# Altium PCB PCB_HydroPore.PcbDoc (part 1 of 2) (continued)
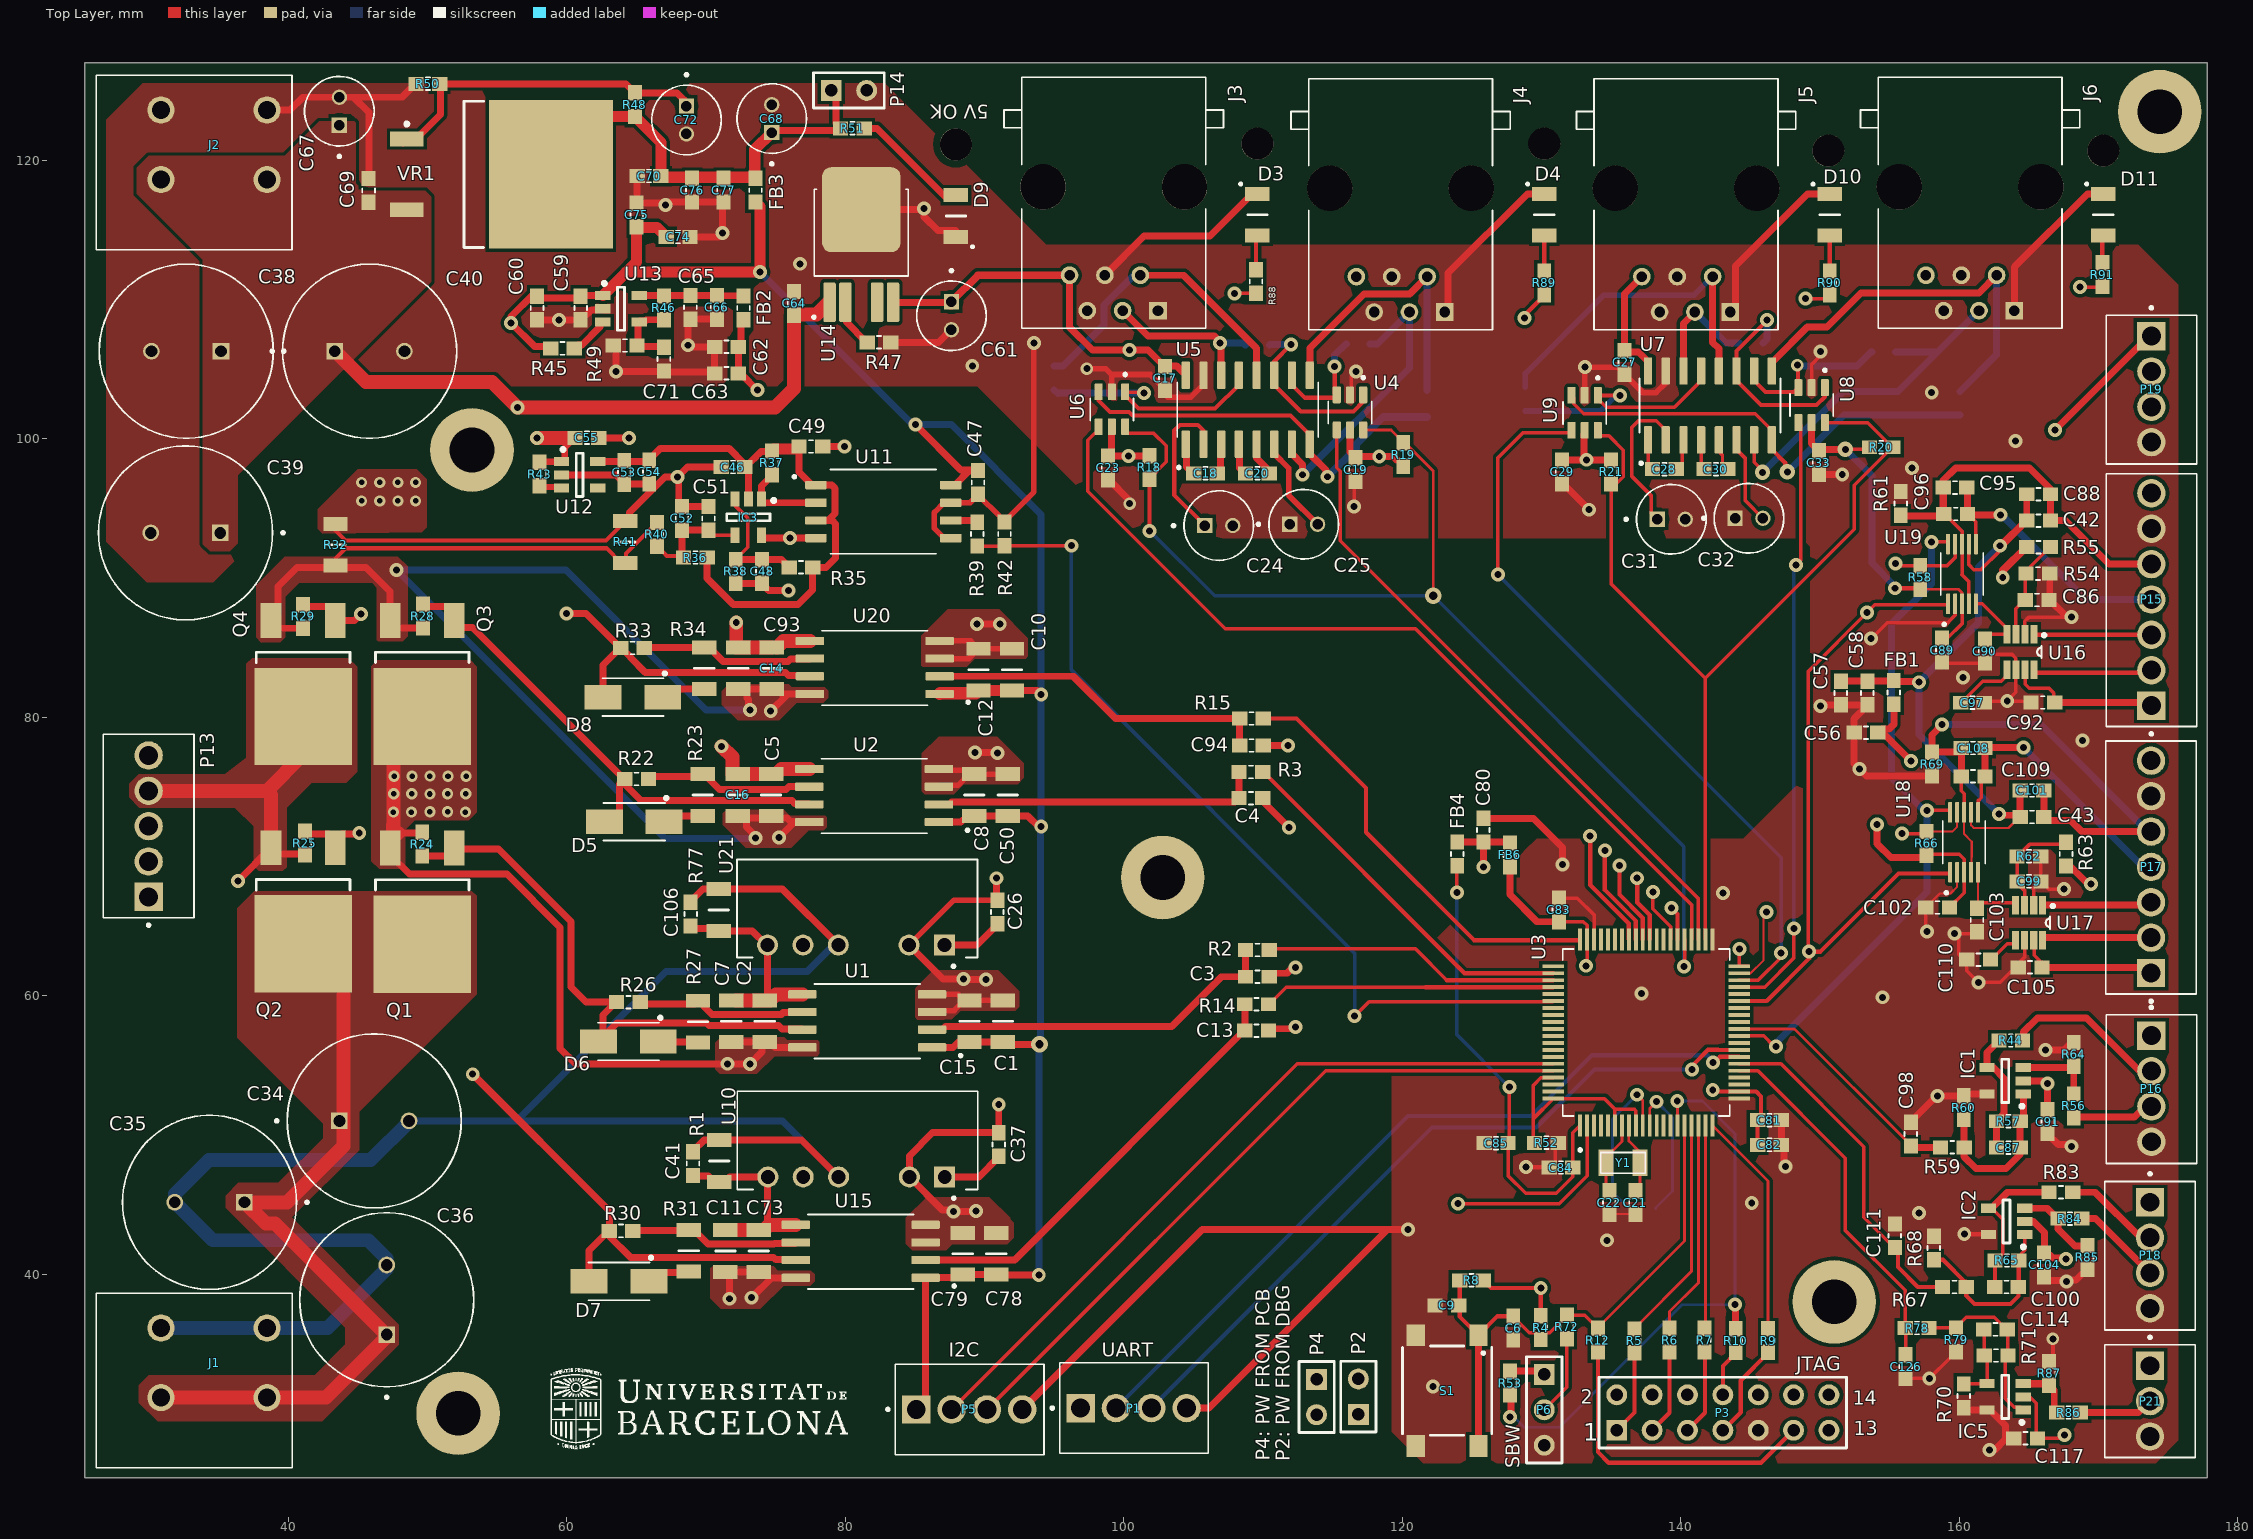
[diagram p0: Top Layer view]
## Footprints (in the part's own frame and the unit in brackets; to place one, negate y for a bottom-side part, rotate by r counter-clockwise, add the part's x,y. Pads: shape width x height; smd on the part's side, far side on the other; paste and mask are expansions set on the pad)
"0603 - duplicate"#1 [mm]
  rect 1.1x1 smd: 1(-0.85,0) 2(0.85,0)
  silkscreen extent -0.15,-0.45 0.15,0.45
"0603 - duplicate"#2 [mm]
  rect 1.1x1 smd: 1(-0.8,0) 2(0.9,0)
  silkscreen extent -0.1,-0.45 0.2,0.45
"0603 - duplicate"#3 [mm]
  rect 1.1x1 smd: 1(-0.9,0) 2(0.8,0)
  silkscreen extent -0.2,-0.45 0.1,0.45
1206 [mm]
  rect 1x1.75 smd: 1(-1.5,0) 2(1.5,0)
  silkscreen extent 0,-0.7 0,0.7, body extent -1.55,-0.8 1.55,0.8, height 0.65
430182070816 [mm]
  rect 1.55x1.3 smd: 1(-3.975,2.25) 2(-3.975,-2.25) 3(3.975,2.25) 4(3.975,-2.25)
  silkscreen extent -3.2,-3.2 3.2,3.2
691401710002B [mm]
  round 1.95 hole 1.3: 1(-2.5,3.81) 1(-2.5,-3.81) 2(2.5,3.81) 2(2.5,-3.81)
  silkscreen extent -5,-8.46 7.54,5.61, body extent -4.94,-8.62 7.6,5.65, height 13.85
*QFP50P1400X1400X160-80N [mm]
  rect 1.56x0.28 smd: 1(-6.68,4.75) 2(-6.68,4.25) 3(-6.68,3.75) 4(-6.68,3.25) 5(-6.68,2.75) 6(-6.68,2.25) 7(-6.68,1.75) 8(-6.68,1.25) 9(-6.68,0.75) 10(-6.68,0.25) 11(-6.68,-0.25) 12(-6.68,-0.75) 13(-6.68,-1.25) 14(-6.68,-1.75) 15(-6.68,-2.25) 16(-6.68,-2.75) 17(-6.68,-3.25) 18(-6.68,-3.75) 19(-6.68,-4.25) 20(-6.68,-4.75) 41(6.68,-4.75) 42(6.68,-4.25) 43(6.68,-3.75) 44(6.68,-3.25) 45(6.68,-2.75) 46(6.68,-2.25) 47(6.68,-1.75) 48(6.68,-1.25) 49(6.68,-0.75) 50(6.68,-0.25) 51(6.68,0.25) 52(6.68,0.75) 53(6.68,1.25) 54(6.68,1.75) 55(6.68,2.25) 56(6.68,2.75) 57(6.68,3.25) 58(6.68,3.75) 59(6.68,4.25) 60(6.68,4.75)
  rect 0.28x1.56 smd: 21(-4.75,-6.68) 22(-4.25,-6.68) 23(-3.75,-6.68) 24(-3.25,-6.68) 25(-2.75,-6.68) 26(-2.25,-6.68) 27(-1.75,-6.68) 28(-1.25,-6.68) 29(-0.75,-6.68) 30(-0.25,-6.68) 31(0.25,-6.68) 32(0.75,-6.68) 33(1.25,-6.68) 34(1.75,-6.68) 35(2.25,-6.68) 36(2.75,-6.68) 37(3.25,-6.68) 38(3.75,-6.68) 39(4.25,-6.68) 40(4.75,-6.68) 61(4.75,6.68) 62(4.25,6.68) 63(3.75,6.68) 64(3.25,6.68) 65(2.75,6.68) 66(2.25,6.68) 67(1.75,6.68) 68(1.25,6.68) 69(0.75,6.68) 70(0.25,6.68) 71(-0.25,6.68) 72(-0.75,6.68) 73(-1.25,6.68) 74(-1.75,6.68) 75(-2.25,6.68) 76(-2.75,6.68) 77(-3.25,6.68) 78(-3.75,6.68) 79(-4.25,6.68) 80(-4.75,6.68)
  silkscreen extent -8.54,-6 6,6, body extent -7,-6.98 7,7.02, height 1.73
CONV_MEA1D1509SC [mm]
  rect 1.508x1.508 hole 1: 1(-5.075,2.625)
  round 1.508 hole 1: 2(-2.535,2.625) 4(2.545,2.625) 5(5.085,2.625) 6(7.625,2.625)
  silkscreen extent -7.45,-3.52 9.82,4.25
D2PAK_N [mm] "D2-PAK, 4-Leads, Body 8.8x10.4mm, Pitch 2.54mm, Lead Span 15.1mm, IPC Medium Density"
  rect 2.4x1.05 smd: 1(-6.8,2.54) 3(-6.8,-2.54)
  rect 8.9x10.65 smd: 2(3.55,0)
  silkscreen extent -6.92,-5.25 -1.3,5.25, body extent -2.7,-5.28 6.3,5.28, height 4.69
do-214ac [mm]
  rect 2.65x1.75 smd: 1(-2.15,0) 2(2.15,0)
  silkscreen extent -2.2,-1.35 2.4,1.8, body extent -2.6,-1.36 2.6,1.36, height 1.1
DPAK114P990X239-6N [mm]
  rrect23% 0.9x2.83 smd: 1(-2.28,-4.14) 2(-1.14,-4.14) 4(1.14,-4.14) 5(2.28,-4.14)
  rrect23% 5.63x6.1 smd paste-4: 3(0,2.51)
  silkscreen extent -3.5,-5.3 3.37,3.98
ElectrolythicCap_2mm [mm]
  round 1.1 hole 0.75: N(1,0)
  rect 1.1x1.1 hole 0.75: P(-1,0)
  silkscreen extent -3.35,-2.5 2.5,2.5, body extent -2.5,-2.5 2.5,2.5, height 11
ElectrolythicCap_5mm [mm]
  round 1.2 hole 0.85: N(2.5,0)
  rect 1.2x1.2 hole 0.85: P(-2.5,0)
  silkscreen extent -7.1,-6.25 6.25,6.25, body extent -6.25,-6.25 6.25,6.25, height 20
HDR1X2 [mm] "Connector; Header; 2 Position"
  rect 1.5x1.5 hole 0.9: 1(0,0)
  round 1.5 hole 0.9: 2(2.54,0)
  silkscreen extent -1.27,-1.27 3.81,1.27
HDR1X3 [mm] "Connector; Header; 3 Position"
  rect 1.5x1.5 hole 0.9: 1(0,0)
  round 1.5 hole 0.9: 2(2.54,0) 3(5.08,0)
  silkscreen extent -1.27,-1.27 6.35,1.27
HDR2X7 [mm] "Connector; Header; 7x2 Position"
  rect 1.5x1.5 hole 0.9: 1(0,0)
  round 1.5 hole 0.9: 2(0,2.54) 3(2.54,0) 4(2.54,2.54) 5(5.08,0) 6(5.08,2.54) 7(7.62,0) 8(7.62,2.54) 9(10.16,0) 10(10.16,2.54) 11(12.7,0) 12(12.7,2.54) 13(15.24,0) 14(15.24,2.54)
  silkscreen extent -1.27,-1.27 16.51,3.81
Infineon_PG-TO252-3_MFG#1 [mm]
  rect 1.5x2.5 smd paste+0 mask+0: 1(-2.3,-4.575) 3(2.3,-4.575)
  rect 7x7 smd paste+0 mask+0: 2(0,2.325)
  silkscreen extent -3.36,-2.28 3.36,-1.55, body extent -3.6,-5.92 3.6,5.92, height 0.25
Infineon_PG-TO252-3_MFG#2 [mm]
  rect 1.5x2.5 smd paste+0 mask+0: 1(-2.3,-4.6) 3(2.3,-4.6)
  rect 7x7 smd paste+0 mask+0: 2(0,2.3)
  silkscreen extent -3.36,-2.31 3.36,-1.57, body extent -3.6,-5.95 3.6,5.9, height 0.25
"LED 1206" [mm]
  rect 1x1.75 smd: 1(-1.5,0) 2(1.5,0)
  silkscreen extent 0,-0.7 2.25,1.25, body extent -1.55,-0.8 1.55,0.8, height 0.65
regleta_3 [mm]
  rect 2.04x2.04 hole 1.36: 1(0,0)
  round 2.04 hole 1.36: 2(2.54,0) 3(5.08,0)
  silkscreen extent -2.13,-3.25 6.58,3.25, body extent -1.5,-3.53 6.58,2.97, height 10
regleta_4 [mm]
  rect 2.04x2.04 hole 1.36: 1(0,0)
  round 2.04 hole 1.36: 2(2.54,0) 3(5.08,0) 4(7.615,0)
  silkscreen extent -2.13,-3.25 9.18,3.25, body extent -1.5,-3.53 6.58,2.97, height 10
regleta_5 [mm]
  rect 2.04x2.04 hole 1.36: 1(0,0)
  round 2.04 hole 1.36: 2(2.54,0) 3(5.08,0) 4(7.615,0) 5(10.155,0)
  silkscreen extent -2.13,-3.25 11.68,3.25, body extent -1.5,-3.53 6.58,2.97, height 10
regleta_7 [mm]
  rect 2.04x2.04 hole 1.36: 1(0,0)
  round 2.04 hole 1.36: 2(2.54,0) 3(5.08,0) 4(7.615,0) 5(10.155,0) 6(12.7,0) 7(15.25,0)
  silkscreen extent -2.13,-3.25 16.65,3.25, body extent -1.5,-3.53 6.58,2.97, height 10
soic8_w [mm]
  rrect25% 2.05x0.59 smd: 1(-4.655,4.445) 2(-4.655,3.175) 3(-4.655,1.905) 4(-4.655,0.635) 5(4.655,0.635) 6(4.655,1.905) 7(4.655,3.175) 8(4.655,4.445)
  silkscreen extent -6.81,-0.1 3.8,5.25, body extent -4,-0.12 3.98,5.12, height 2.16
SOIC127P600X175-16N [mm]
  rrect25% 1.97x0.6 smd: 1(-2.475,4.445) 2(-2.475,3.175) 3(-2.475,1.905) 4(-2.475,0.635) 5(-2.475,-0.635) 6(-2.475,-1.905) 7(-2.475,-3.175) 8(-2.475,-4.445) 9(2.475,-4.445) 10(2.475,-3.175) 11(2.475,-1.905) 12(2.475,-0.635) 13(2.475,0.635) 14(2.475,1.905) 15(2.475,3.175) 16(2.475,4.445)
  silkscreen extent -4.24,-5.06 1.95,5.06, body extent -3,-4.95 3,4.95, height 1.75
SOIC127P1031X265-8N [mm]
  rrect25% 1.55x0.6 smd: 1(-4.84,1.905) 2(-4.84,0.635) 3(-4.84,-0.635) 4(-4.84,-1.905) 5(4.84,-1.905) 6(4.84,-0.635) 7(4.84,0.635) 8(4.84,1.905)
  silkscreen extent -6.49,-3.03 3.8,3.03, body extent -5.15,-2.92 5.16,2.93, height 2.65
SOP50P490X110-10N [mm]
  rrect25% 1.47x0.28 smd: 1(-2.15,1) 2(-2.15,0.5) 3(-2.15,0) 4(-2.15,-0.5) 5(-2.15,-1) 6(2.15,-1) 7(2.15,-0.5) 8(2.15,0) 9(2.15,0.5) 10(2.15,1)
  silkscreen extent -3.72,-1.53 1.53,1.53, body extent -2.45,-1.5 2.45,1.5, height 1.1
SOT23-5_N [mm] "SOT23, 6-Leads, Body 2.9x1.6mm, Pitch 0.95mm, Lead Span 2.7mm, IPC Medium Density"
  rect 1.1x0.65 smd: 1(-1.3,0.95) 2(-1.3,0) 3(-1.3,-0.95) 4(1.3,-0.95) 5(1.3,0.95)
  silkscreen extent -1.33,-1.55 0.25,1.95, body extent -0.9,-1.55 0.9,1.55, height 1.45
SOT65P280X145-8N [mil]
  rect 52x20 smd: 1(-50,38) 2(-50,13) 3(-50,-13) 4(-50,-38) 5(50,-38) 6(50,-13) 7(50,13) 8(50,38)
  silkscreen extent -51,47 17,71, body extent -55,-57 55,57, height 57
SOT95P280X145-6N [mm]
  rrect25% 1.21x0.58 smd: 1(-1.255,0.95) 2(-1.255,0) 3(-1.255,-0.95) 4(1.255,-0.95) 5(1.255,0) 6(1.255,0.95)
  silkscreen extent -2.6,-1.56 0.8,1.56
TE_RJ11-6N-B [mm]
  rect 1.268x1.268 hole 0.76: 1(0,0)
  round 1.268 hole 0.76: 2(-2.54,-1.27) 3(0,-2.54) 4(-2.54,-3.81) 5(0,-5.08) 6(-2.54,-6.35)
  round 3.25 hole 3.25 unplated: ""(-8.89,1.9) ""(-8.89,-8.26)
  silkscreen extent -16.76,-11.05 1.27,4.7, body extent -16.76,-11.07 1.28,4.67, height 12.57
XTAL320X150X90 [mil]
  rect 43x75 smd: 1(-48,0) 2(48,0)
  silkscreen extent -63,-30 63,30, body extent -63,-29 63,30, height 35
XTAL_ABM7-16.000MHZ-D2Y-T [mm]
  rect 1.9x2.6 smd: 1(-2.15,0) 2(2.15,0)
  silkscreen extent -3,-1.75 3,1.75, body extent -3,-1.75 3,1.75, height 1.4

## Part data
C1 C2 C3 C4 C5 C6 C7 C8 C9 C10 C11 C12 C13 C14 C15 C16 C17 C18 C19 C20 C21 C22 C23 C26 C27 C28 C29 C30 C33 C37 C41 C42 C43 C44 C45 C46 C47 C48 C49 C50 C51 C52 C53 C55 C56 C57 C58 C59 C62 C63 C64 C69 C70 C73 C74 C75 C76 C77 C78 C79 C80 C81 C82 C83 C84 C85 C86 C87 C88 C89 C90 C91 C92 C93 C94 C95 C96 C97 C98 C99 C100 C101 C102 C103 C104 C105 C106 C108 C109 C110 C111 C114 C117 C126: "Capacitor", LatestRevisionDate=17-Jul-2002, LatestRevisionNote="Re-released for DXP Platform.", PackageDescription="Radial Cap, Thru-Hole; 2 Leads; 0.3 in Pin Spacing", PackageReference=RAD-0.3, Published=8-Jun-2000, Publisher="Altium Limited"
C24 C25 C31 C32 C34 C35 C36 C38 C39 C40 C61 C67 C68: "Polarized Capacitor (Axial)", LatestRevisionDate=17-Jul-2002, LatestRevisionNote="Re-released for DXP Platform.", PackageDescription="Polarized Capacitor; 2 Leads", PackageReference=POLAR0.8, Published=8-Jun-2000, Publisher="Altium Limited"
C54 C60 C65 C66 C71: library part Cap, "Capacitor", LatestRevisionDate=17-Jul-2002, LatestRevisionNote="Re-released for DXP Platform.", PackageDescription="Radial Cap, Thru-Hole; 2 Leads; 0.3 in Pin Spacing", PackageReference=RAD-0.3, Published=8-Jun-2000, Publisher="Altium Limited"
C72: library part "Cap Pol2", "Polarized Capacitor (Axial)", LatestRevisionDate=17-Jul-2002, LatestRevisionNote="Re-released for DXP Platform.", PackageDescription="Polarized Capacitor; 2 Leads", PackageReference=POLAR0.8, Published=8-Jun-2000, Publisher="Altium Limited"
D3 D4 D9 D10 D11: "Typical RED, GREEN, YELLOW, AMBER GaAs LED", LatestRevisionDate=17-Jul-2002, LatestRevisionNote="Re-released for DXP Platform.", PackageDescription="SM LED; 2 Flat Leads", PackageReference=3.2X1.6X1.1, PackageVersion=Feb-2002, Published=8-Jun-2000, Publisher="Altium Limited"
D5 D6 D7 D8: "Default Diode", Code_JEDEC=DO-214-AB, LatestRevisionDate=17-Jul-2002, LatestRevisionNote="Re-released for DXP Platform.", PackageDescription="DO-214-AB/SMC; 2 C-Bend Leads; Body 7.9 x 5.9 mm, inc. leads (LxW)", PackageReference=SMC, PackageVersion=Sep-1996, Published=8-Jun-2000, Publisher="Altium Limited"
FB1 FB2 FB3 FB4 FB6 R1 R43 R45 R46 R47 R48 R49 R50 R58 R61 R66 R69 R77: library part Res2, "Resistor", LatestRevisionDate=17-Jul-2002, LatestRevisionNote="Re-released for DXP Platform.", PackageDescription="Axial Device, Thru-Hole; 2 Leads; 0.4 in Pin Spacing", PackageReference=AXIAL-0.4, Published=8-Jun-2000, Publisher="Altium Limited"
IC1 IC2 IC3 IC5: "Operational Amplifier", ComponentLink1Description="Manufacturer Link", ComponentLink1URL=http://www.analog.com/, DatasheetVersion="REV. B", LatestRevisionDate=17-Jul-2002, LatestRevisionNote="Re-released for DXP Platform.", PackageDescription="Can; 8 Leads; Pin Circle Dia. 5.08 mm; Lead Dia. 0.53 mm (max)", PackageReference=H-08A, PackageVersion=1990, Published=8-Jun-2000, Publisher="Altium Limited"
J1 J2: "<b>WR-TBL Terminal block - serie 401 5,0mm - Spring clamp/Screw less - horizontal entry ; </b>=>Code : Con_TBL_Screwless_5.00_6914017100xxB <p><a href=\"http://katalog.we-online.de/media/images/eican/Con_TBL_Screwless_5.00_6914017100xxB_pf2.jpg\"> <img src=\"http://katalog.we-online.de/media/thumbs2/eican/thb_Con_TBL_Screwless_5.00_6914017100xxB_pf2.jpg\" width=\"320\"></a><p> <p>Details see: <a href=\"http://katalog.we-online.de/en/em/TBL_5_00_401B_SCREWLESS_HORIZONTAL_ENTRY_2_0MM2_WIRES_6914017100XXB\">http://katalog.we-online.de/en/em/TBL_5_00_401B_SCREWLESS_HORIZONTAL_ENTRY_2_0MM2_WIRES_6914017100XXB</a> <p>Created 11/27/2014, Karrer Zheng <p>2014 (C) Wurth Elektronik", Package=None, Availability="In Stock", Check_prices=https://www.snapeda.com/parts/691401710002B/Wurth+Electronics+Inc./view-part/?ref=eda, MF="Würth Elektronik", MP=691401710002B, Price=None, Purchase-URL=https://pricing.snapeda.com/search/part/691401710002B/?ref=eda, SnapEDA_Link=https://www.snapeda.com/parts/691401710002B/Wurth+Electronics+Inc./view-part/?ref=snap
J3 J4 J5 J6: "6 Position 1 Port Right Angle RJ11 Low Profile Filtered EMI/RFI Modular Jack", Package=None, Availability=Unavailable, MF="TE Connectivity", MP=RJ11-6N-B, Price=None, SnapEDA_Link=https://www.snapeda.com/parts/RJ11-6N-B/TE%20Connectivity%20Corcom%20Filters/view-part/2771781/?ref=snap, TE_purchase_URL=https://www.te.com/usa-en/product-6609212-4.html?te_bu=Cor&te_type=disp&te_campaign=seda_glo_cor-seda-global-disp-prtnr-fy19-seda-model-bom-cta_sma-317_1&elqCampaignId=32493
P1 P5 P16 P18 P19: "Header, 4-Pin", LatestRevisionDate=17-Jul-2002, LatestRevisionNote="Re-released for DXP Platform.", Publisher="Altium Limited"
P2 P4: library part "Header 2", "Header, 2-Pin", LatestRevisionDate=17-Jul-2002, LatestRevisionNote="Re-released for DXP Platform.", Publisher="Altium Limited"
P3: "Header, 7-Pin, Dual row", LatestRevisionDate=17-Jul-2002, LatestRevisionNote="Re-released for DXP Platform.", Publisher="Altium Limited"
P6 P21: "Header, 3-Pin", LatestRevisionDate=17-Jul-2002, LatestRevisionNote="Re-released for DXP Platform.", Publisher="Altium Limited"
P13: "Header, 5-Pin", LatestRevisionDate=17-Jul-2002, LatestRevisionNote="Re-released for DXP Platform.", Publisher="Altium Limited"
P14: "Header, 2-Pin", LatestRevisionDate=17-Jul-2002, LatestRevisionNote="Re-released for DXP Platform.", Publisher="Altium Limited"
P15 P17: "Header, 7-Pin", LatestRevisionDate=17-Jul-2002, LatestRevisionNote="Re-released for DXP Platform.", Publisher="Altium Limited"
Q1 Q2 Q3 Q4: "N-Channel MOSFET", LatestRevisionDate=17-Jul-2002, LatestRevisionNote="Re-released for DXP Platform.", PackageDescription="TO, Flat Index; 3 In-Line, Axial Leads; Body Dia. 4.6mm; Lead Dia. 0.5 mm (max)", PackageReference=E3, PackageVersion=1995/1996, Published=8-Jun-2000, Publisher="Altium Limited"
R2 R3 R4 R5 R6 R7 R8 R9 R10 R11 R12 R13 R14 R15 R16 R17 R18 R19 R20 R21 R22 R23 R24 R25 R26 R27 R28 R29 R30 R31 R32 R33 R34 R35 R36 R37 R38 R39 R40 R41 R42 R44 R51 R52 R53 R54 R55 R56 R57 R59 R60 R62 R63 R64 R65 R67 R68 R70 R71 R72 R73 R74 R75 R76 R78 R79 R83 R84 R85 R86 R87 R88 R89 R90 R91: "Resistor", LatestRevisionDate=17-Jul-2002, LatestRevisionNote="Re-released for DXP Platform.", PackageDescription="Axial Device, Thru-Hole; 2 Leads; 0.4 in Pin Spacing", PackageReference=AXIAL-0.4, Published=8-Jun-2000, Publisher="Altium Limited"
S1: "Tactile Switch SPST-NO Top Actuated Surface Mount", Package=None, Availability="Not in stock", Check_prices=https://www.snapeda.com/parts/430182070816/Wurth+Electronics+Inc./view-part/?ref=eda, MF="Wurth Electronics", MP=430182070816, Price=None, SnapEDA_Link=https://www.snapeda.com/parts/430182070816/Wurth+Electronics+Inc./view-part/?ref=snap
U1 U2 U15 U20: "Mosfet Gate Driver Isolated", Package=None, Availability="In Stock", Check_prices=https://www.snapeda.com/parts/PEME2-S15-D5-S/CUI/view-part/?ref=eda, MF=CUI, MP=PEME2-S15-D5-S, Price=None, Purchase-URL=https://pricing.snapeda.com/search/part/PEME2-S15-D5-S/?ref=eda, SnapEDA_Link=https://www.snapeda.com/parts/PEME2-S15-D5-S/CUI/view-part/?ref=snap
U3: "Ultrasonic Sensing MCU with 64KB FRAM, 12KB RAM, LCD for gas and water metering applications", Package="LQFP-80 Texas Instruments", Availability="In Stock", Check_prices=https://www.snapeda.com/parts/MSP430FR6043IPN/Texas+Instruments/view-part/?ref=eda, MF="Texas Instruments", MP=MSP430FR6043IPN, Price=None, Purchase-URL=https://pricing.snapeda.com/search/part/MSP430FR6043IPN/?ref=eda, SnapEDA_Link=https://www.snapeda.com/parts/MSP430FR6043IPN/Texas+Instruments/view-part/?ref=snap
U4 U5 U6 U7 U8 U9: Package=None, Availability=Unavailable, Price=None
  U4 U6 U8 U9: MP=TS5A3157DBVR
  U5 U7: MP=TRS202EID
U10 U21: "1 W, Dual Independent Output, 7 Pin SIP, 4200 Vdc Isolation, Dc-Dc Converter", Package="SIP-7 CUI", Arrow_Electronics-Purchase-URL=https://snapeda.com/shop?store=Arrow+Electronics&id=1237682, Availability=Bad, CUI_purchase_URL=https://www.cui.com/product/dc-dc-converters/igbt-driver/vqa-series?utm_source=snapeda.com&utm_medium=referral&utm_campaign=snapedaBOM, MF="CUI Inc.", Mouser-Purchase-URL=https://snapeda.com/shop?store=Mouser&id=1237682, MP=VQA-S15-D15-SIP, Price=None, SnapEDA_Link=https://www.snapeda.com/parts/VQA-S15-D15-SIP/CUI/view-part/1237682/?ref=snap
U11: "Digital Isolator", Package=None, Availability="In Stock", Check_prices=https://www.snapeda.com/parts/PEME2-S15-D5-S/CUI/view-part/?ref=eda, MF=CUI, MP=PEME2-S15-D5-S, Price=None, Purchase-URL=https://pricing.snapeda.com/search/part/PEME2-S15-D5-S/?ref=eda, SnapEDA_Link=https://www.snapeda.com/parts/PEME2-S15-D5-S/CUI/view-part/?ref=snap
U13 U14: "Dropout Linear  Regulator", Package=None, Availability=Unavailable, MP=LP3964EMP-ADJ, Price=None
U16 U17: "Instrumentation Amplifier 1 Circuit Rail-to-Rail SOT-23-8", Package="SOT-8 Analog Devices", Availability="In Stock", Check_prices=https://www.snapeda.com/parts/AD8293G160ARJZ-R7/Analog+Devices/view-part/?ref=eda, MF="Analog Devices", MP=AD8293G160ARJZ-R7, Price=None, Purchase-URL=https://pricing.snapeda.com/search/part/AD8293G160ARJZ-R7/?ref=eda, SnapEDA_Link=https://www.snapeda.com/parts/AD8293G160ARJZ-R7/Analog+Devices/view-part/?ref=snap
U18 U19: "Data acquisition IC - AD converter _ADC_ Maxim Integrated MAX11101EUB+T External uMAX 10", Package="uMAX-10 Maxim", Availability=Unavailable, MF="Maxim Integrated", MP=MAX11101EUB+T, Price=None, SnapEDA_Link=https://www.snapeda.com/parts/MAX11101EUB%2BT/Maxim%20Integrated/view-part/693032/?ref=snap
VR1: library part "Volt Reg", LatestRevisionDate=29-May-2009, LatestRevisionNote="IPC-7351 Footprint Added.", PackageDescription="3-Pin Transistor Outline Package 2.54 mm Pitch, 15.1 mm Lead Span", PackageReference=D2PAK, Published=24-Mar-1999, Publisher="Altium Limited"
Y1: "32.768kHz ±30ppm Crystal 12.5pF 90 kOhms 2-SMD, No Lead", Package="SMD-2 EPSON", Availability=Unavailable, MF=EPSON, MP=FC-12M, Price=None, SnapEDA_Link=https://www.snapeda.com/parts/FC-12M/EPSON/view-part/105663/?ref=snap
Y2: Package="SMD-2 EPSON", Availability=Unavailable, MF=EPSON, MP=FC-12M, Price=None, SnapEDA_Link=https://www.snapeda.com/parts/FC-12M/EPSON/view-part/105663/?ref=snap
U12: Code_IPC=SOP65P780-8, Code_JEDEC=MO-150-AA, LatestRevisionDate=29-May-2009, LatestRevisionNote="IPC-7351 Footprint Added.", PackageDescription="8-Pin Plastic Small Outline Package 0.65 mm Pitch", PackageReference=DB008, PackageVersion=May-1999, Published=8-Jun-2000, Publisher="Altium Limited"

## Free pads (board coordinates)
  round 2.3 hole 2.3: 0(87.941,121.141) 0(109.6,121.2) 0(130.2,121.2) 0(150.6,120.7) 0(170.35,120.7)
  round 6 hole 3.2: 1(174.4,123.5) 2(53.2,99.2) 3(52.2,30.025) 4(151.025,38.025) 5(102.8,68.5)

## Via types
v1: diameter 1, hole 0.5, Top Layer to Bottom Layer, 159 vias
v2: diameter 0.8, hole 0.4, Top Layer to Bottom Layer, 23 vias
v3: diameter 0.9, hole 0.5, Top Layer to Bottom Layer, 4 vias
v4: diameter 1.1, hole 0.5, Top Layer to Bottom Layer, 3 vias
v5: diameter 1.2, hole 0.6, Top Layer to Bottom Layer, 2 vias

## Nets (pads, with @x,y where several pads share a name; then routed paths per layer and width w, separated by ;. In a path a pad name is that pad's centre, name@x,y a point inside that pad or via, vN(x,y) a via of type N, cw(c..) or ccw(c..) an arc to the next point about the centre after c; other vN are vias at no path point)
3V3: C19.2 C23.2 C29.2 C33.2 C62.2 C63.2 C80.2 C89.2 C102.2 FB2.2 FB4.1 FB6.1 P1.1 P2.2 P4.1 P13.5 R4.2 R8.2 R18.1 R19.1 R20.1 R21.1 R58.2 R66.2 U4.5 U6.5 U8.5 U9.5 U18.3 U19.3 | length 344.6
  Top Layer w0.15: C19.2@116.65,98.65 C19.2@116.725,98.725
  Top Layer w0.2: R58.2@157.2,89.2 159.95,89.2 160.2,88.95 U19.3@160.2,88.15
  Top Layer w0.25: R18.1@101.825,98.775 R18.1@101.85,98.8 ; C29.2@131.4,98.525 C29.2@131.425,98.5 ; C33.2@149.925,99.15 C33.2@150.025,99.25 ; v4(151.825,99.25) 153.4,99.25 R20.1@153.55,99.4 ; R66.2@157.65,70.1 157.725,70.175 160,70.175 160.35,69.825 U18.3@160.35,68.875 160.35,67.4 C102.2@159.3,66.35 ; C89.2@158.775,85.675 159.15,85.675 160.2,86.725 U19.3@160.2,88.15
  Top Layer w0.3: R8.2@125.825,39.575 126.375,39.025 v1(129.95,39.025) R4.2@129.95,37.025 ; v1(155.4,89.275) 157.125,89.275 R58.2@157.2,89.2
  Top Layer w0.5: FB2.2@72.692,108.555 72.507,108.369 72.507,106.796 C62.2@72.321,106.611 C63.2@72.321,104.706 72.219,104.604 72.575,104.604 73.679,103.5 v1(73.702,103.5) ; U6.5@99.15,100.87 99.15,100.67 99.125,100.645 99.125,99.025 C23.2@98.875,98.775 v1(100.35,98.775) R18.1@101.825,98.775 ; U4.5@116.25,100.645 116.25,99.05 C19.2@116.65,98.65 ; C19.2@116.725,98.725 v1(118.35,98.725) 119.375,98.725 119.6,98.5 119.65,98.5 120.075,98.075 R19.1@120.075,98.025 ; FB4.1@123.95,71.05 C80.2@125.825,71.05 ; v1(125.825,69.25) C80.2@125.825,71.05 ; FB6.1@127.725,70.975 127.65,71.05 C80.2@125.825,71.05 ; C29.2@131.425,98.5 v1(133.225,98.5) ; U9.5@133.062,100.333 133.062,98.663 v1(133.225,98.5) ; R21.1@135,98.475 134.975,98.5 v1(133.225,98.5) ; U8.5@149.4,101.17 149.4,99.675 C33.2@149.925,99.15 ; C33.2@150.025,99.25 v4(151.825,99.25) ; v1(154.1,72.3) 154.1,70.925 155.1,69.925 157.475,69.925 R66.2@157.65,70.1
  Int2(PWR) w0.3: P4.1@113.85,32.465 P4.1@113.875,32.49
  Int2(PWR) w0.4: P1.1@96.9,30.4 96.9,31.475 97.89,32.465 P4.1@113.85,32.465 ; P4.1@113.875,32.49 P2.2@116.85,32.49
  Int2(PWR) w0.5: P13.5@29.975,77.265 29.975,83.4 50.075,103.5 v1(73.702,103.5) 88.95,103.5 93.675,98.775 ; P2.2@116.85,32.49 116.85,35.304 120.571,39.025 v1(129.95,39.025) 125.825,43.15 v1(125.825,69.25) 123.2,69.25 93.675,98.775 ; v4(151.825,99.25) 144.125,99.25 143.6,98.725 v1(118.35,98.725) 118.325,98.75 100.375,98.75 v1(100.35,98.775) 93.675,98.775 ; v1(154.1,72.3) 154.1,84.655 154.679,85.234 154.679,88.554 v1(155.4,89.275)
  Bottom Layer w0.5: v4(151.825,99.25) 153.722,97.353 153.722,91.078 155.4,89.4 v1(155.4,89.275)
5Vdc: C1.1 C8.2 C10.1 C12.1 C15.1 C47.2 C50.2 C56.2 C59.2 C60.2 C74.2 C75.2 C78.2 C79.2 C91.1 C92.2 C104.1 C105.2 C117.1 FB1.1 FB3.2 IC1.2 IC2.2 IC5.2 P5.1 P15.1 P17.1 P19.1 R45.2 R55.1 R63.1 U1.1 U2.1 U11.8 U13.1 U15.1 U16.7 U17.7 U20.1 | length 432.1
  Top Layer w0.15: C75.2@65.024,115.178 C75.2@65.024,115.228
  Top Layer w0.25: C47.2@89.539,97.678 C47.2@89.539,97.728 ; IC5.2@164.6,31.2 165.075,31.2 165.529,30.746 165.529,28.321 C117.1@165.625,28.225 ; U16.7@164.73,83.43 164.73,82.393 165.023,82.1 166.45,82.1 166.8,81.75 166.8,81.075 C92.2@166.85,81.075 ; U17.7@165.38,64.28 165.38,62.92 165.9,62.4 C105.2@165.95,62.4 ; C117.1@165.675,28.225 167.3,28.225 v1(167.55,28.475)
  Top Layer w0.5: C60.2@57.813,110.312 57.537,110.312 56,108.775 v1(56,108.325) 57.675,106.65 58.7,106.65 R45.2@58.85,106.5 ; C60.2@57.875,110.25 57.997,110.128 61.008,110.128 C59.2@61.099,110.219 ; C59.2@61.068,110.25 61.099,110.25 61.099,110.294 U13.1@62.599,110.294 ; v1(85.05,101.025) 88.297,97.778 89.539,97.778 C47.2@89.539,97.728 ; P5.1@85.1,30.3 85.768,30.968 85.768,39.722 85.752,39.738 85.797,39.783 88.241,39.783 C79.2@88.441,39.983 90.849,39.983 90.883,39.95 v1(93.9,39.95) ; U1.1@86.235,56.305 87.755,56.305 88.125,56.675 C15.1@88.925,56.675 C1.1@91.075,56.675 ; U2.1@86.73,72.483 88.33,72.483 88.775,72.928 C8.2@89.275,72.928 C50.2@91.675,72.928 93.108,72.928 93.886,72.15 v1(94.075,72.15) ; U11.8@87.579,96.683 87.869,96.683 88.864,97.678 C47.2@89.539,97.678 ; C1.1@91.325,56.675 C1.1@91.075,56.675 ; C10.1@91.625,81.928 C10.1@91.975,81.928 93.797,81.928 v1(94.075,81.65) ; v5(93.95,56.525) 90.925,56.525 C1.1@91.075,56.675 ; C56.2@154.15,78.9 C56.2@154.2,78.9 ; FB1.1@155.3,80.95 155.3,79.5 154.95,79.15 154.45,79.15 C56.2@154.2,78.9 ; v1(156.525,76.875) 154.5,78.9 C56.2@154.2,78.9 ; IC1.2@164.6,53.9 v1@165.963,53.9 ; IC2.2@164.7,43.8 165.338,43.8 166.138,43 166.138,41.762 166.723,41.177 167.598,41.177 v1(167.675,41.1) ; C105.2@165.947,62.051 173.369,62.051 P17.1@173.775,61.645 ; v1(166.325,53.7) 166.338,53.688 166.338,51.838 C91.1@166.35,51.825 ; C92.2@166.85,81.075 173.52,81.075 P15.1@173.75,80.845 ; v1(166.873,100.625) 173.628,107.38 P19.1@173.8,107.38 ; R63.1@167.8,69.225 168.075,69.225 169.25,68.05 v1(169.475,68.05)
  Top Layer w0.55: v1(163.125,90.05) 163.125,90.55 164.8,92.225 R55.1@164.85,92.225
  Top Layer w0.8: U13.1@62.599,110.294 64.28,111.975 ; C74.2@67.15,114.5 66.472,115.178 65.024,115.178 65.024,112.719 64.28,111.975 ; FB3.2@73.552,117.006 73.875,116.683 v1(73.875,111.975) 64.28,111.975 ; C12.1@89.575,81.928 C10.1@91.625,81.928
  Top Layer w0.9: U20.1@86.777,81.683 86.822,81.728 89.375,81.728 C12.1@89.575,81.928
  Int2(PWR) w0.5: v1(73.875,111.975) 77.275,115.375 162.025,115.375 170.02,107.38 P19.1@173.8,107.38 ; v1(156.525,76.875) 160.85,76.875 162.446,78.471 162.446,84.857 163.125,85.536 163.125,87.4 ; v1(166.873,100.625) 166.873,93.798 v1(163.125,90.05) 163.125,87.4 ; v1(167.55,28.475) 169.05,29.975 169.05,40.075 168.025,41.1 v1(167.675,41.1) 166.325,42.45 v1(166.325,53.7) 173.775,61.15 P17.1@173.775,61.645 169.475,65.945 169.475,68 169.475,76.525 P15.1@173.8,80.85 169.675,80.85 163.125,87.4
  Bottom Layer w0.5: v1(73.875,111.975) 84.825,101.025 v1(85.05,101.025) 87.625,101.025 94.075,94.575 v1(94.075,81.65) v1(94.075,72.15) 94.013,72.088 94.013,56.588 v5(93.95,56.525) 93.925,56.5 93.925,39.975 v1(93.9,39.95)
5Vdc*: C46.2 C49.1 C53.2 C54.2 IC3.2 R35.1 R36.1 R37.2 U11.1 U11.3 U12.5 | length 43.3
  Top Layer w0.5: U12.5@62.229,98.362 65.751,98.362 C54.2@65.785,98.328 ; C54.2@65.925,98.475 65.925,98.525 66.725,99.325 71.64,99.325 72.739,98.227 72.739,97.978 C46.2@72.789,97.978 72.839,97.978 73.939,99.078 R37.2@74.739,99.078 ; R36.1@70.089,91.478 70.089,89.992 71.959,88.121 76.621,88.121 77.639,89.139 77.639,90.739 R35.1@77.675,90.775 77.7,90.75 78.611,90.75 79.314,91.453 79.314,93.903 79.074,94.143 78.754,94.143 ; IC3.2@73.039,95.678 C46.2@73.039,97.728 ; C49.1@76.686,99.459 76.686,97.621 77.624,96.683 U11.1@77.899,96.683 79.034,96.683 79.264,96.453 79.264,94.653 78.754,94.143 ; U11.3@77.899,94.143 78.754,94.143
  Top Layer w0.8: R37.2@74.739,99.078 R37.2@74.739,99.128 74.739,99.162 74.839,99.262 76.439,99.262 76.636,99.459 C49.1@76.686,99.459
5Vdc_CAM: C17.2 C27.2 C61.P J3.6 J4.6 J5.6 J6.6 U5.16 U7.16 U14.5 | length 101.8
  Top Layer w0.15: C27.2@135.95,106.25 C27.2@135.95,106.3
  Top Layer w0.25: C17.2@102.775,105.025 C17.2@102.775,105.35
  Top Layer w0.5: U14.5@83.497,109.809 C61.P@87.6,109.809 ; J3.6@96.11,111.75 96.11,108.015 97.75,106.375 v1(100.425,106.375) 101.75,106.375 C17.2@102.775,105.35 ; C17.2@102.775,105.025 103,105.25 103.776,105.25 U5.16@104.46,104.566 ; C27.2@135.95,106.25 136.965,106.25 137.655,105.56 U7.16@137.655,104.875 ; C27.2@135.95,106.3 135.95,110.39 J5.6@137.21,111.65
  Top Layer w0.55: C61.P@87.63,109.839 89.541,111.75 J3.6@96.11,111.75
  Top Layer w1: C61.P@87.6,109.809 C61.P@87.63,109.839
  Int2(PWR) w0.5: J3.6@96.11,111.75 97.81,113.45 114.91,113.45 J4.6@116.71,111.65 118.51,113.45 135.41,113.45 J5.6@137.21,111.65 137.21,111.885 138.625,113.3 156.06,113.3 J6.6@157.61,111.75
12Vdc: C5.1 C14.1 C16.1 C34.P C35.P C36.P C55.2 C93.1 J1.2 Q1.2 Q2.2 R43.2 U2.5 U12.1 U20.5 | length 162.9
  Top Layer w0.46: R43.2@58.05,98.325 58.069,98.344 59.611,98.344 U12.1@59.629,98.362 59.757,98.362 59.852,98.457 59.852,99.377 C55.2@60.55,100.075
  Top Layer w0.5: C14.1@74.722,85.028 C14.1@75.097,85.028
  Top Layer w1: J1.2@30.865,31.15 J1.2@38.485,31.15 42.7,31.15 47.125,35.575 39.039,43.661 38.389,43.661 36.875,45.175 39.9,45.175 43.957,49.232 43.957,60.856 Q2.2@41.075,63.738 ; v1(57.879,100.075) C55.2@60.55,100.075 ; v1(71.125,77.925) 71.9,77.15 71.9,75.928 C16.1@72.275,75.928 C5.1@74.675,75.928 75.05,75.928 75.415,76.293 U2.5@77.42,76.293 ; v1(72.175,86.825) 72.175,85.028 C93.1@72.322,85.028 C14.1@74.722,85.028 ; C14.1@75.097,85.028 75.563,85.493 U20.5@77.467,85.493
  Int2(PWR) w1: C34.P@43.675,51.025 57.879,65.229 57.879,70.204 57.879,77.45 ; v1(57.879,100.075) 57.879,87.479 ; v1(71.125,77.925) 58.354,77.925 57.879,77.45 ; v1(72.175,86.825) 69.775,89.225 59.625,89.225 57.879,87.479 ; 57.879,77.45 57.879,87.479
15Vdc: C26.2 C37.2 C38.P C39.P C40.P C64.2 C67.P C69.2 J2.2 P16.1 P18.1 P21.1 U10.1 U14.1 U21.1 VR1.3 | length 374.7
  Top Layer w0.5: U21.1@87.125,63.65 89.45,63.65 90.925,65.125 C26.2@90.925,65.175 ; U10.1@87.145,47 89.6,47 91.025,48.425 C37.2@91.025,48.475
  Top Layer w1: C40.P@43.347,106.299 45.571,104.075 54.65,104.075 v1(56.479,102.246) 74.946,102.246 76.327,103.627 C64.2@76.327,108.878 76.327,108.928 77.928,108.928 U14.1@78.809,109.809
  Int2(PWR) w0.5: v1(56.479,102.246) 86.679,102.246 92.104,96.821 92.104,67.428 88.83,64.154 87.629,64.154 U21.1@87.125,63.65 87.145,63.63 U10.1@87.145,47
  Int2(PWR) w0.8: C40.P@43.347,106.299 50.348,113.3 72.575,113.3 82.875,123.6 164.125,123.6 176.425,111.3 176.425,59.765 ; P21.1@173.7,33.44 176.425,36.165 176.425,47.905 ; P18.1@173.7,45.18 176.425,47.905 ; P16.1@173.8,57.14 176.425,59.765 ; 176.425,47.905 176.425,59.765
\R\S\T\/SBWTDIO: C6.2 C9.2 R4.1 R8.1 R12.2 R72.2 S1.1 S1.3 U3.16 | length 40.6
  Top Layer w0.15: C9.2@124.125,37.75 C9.2@124.125,37.85 ; R4.1@129.95,35.325 R4.1@129.95,35.375
  Top Layer w0.2: R12.2@134.05,36.125 134.05,36.175 140.275,42.4 U3.16@140.275,50.695
  Top Layer w0.25: C6.2@127.975,37 127.975,36.95 129.125,35.8 129.525,35.8 129.95,35.375 130.375,35.8 130.6,35.8 131.825,37.025 R72.2@131.825,37.075 133.1,37.075 R12.2@134.05,36.125
  Top Layer w0.3: C9.2@124.125,37.75 124.125,36.975 S1.1@125.475,35.625 126.85,37 C6.2@127.975,37 ; C9.2@124.125,37.85 R8.1@124.125,39.575
  Top Layer w0.5: S1.3@125.475,27.675 S1.1@125.475,35.625
Actuator+: C2.2 C7.2 P13.3 Q1.3 Q3.2 R24.1 U1.8 | length 74.9
  Top Layer w0.5: Q1.3@47.325,70.625 47.325,70.125 48.7,68.75 55.7,68.75 59.525,64.925 59.525,56.225 60.625,55.125 v1(71.55,55.125) 71.562,55.113 73.137,55.113 v1(73.15,55.1) 74.037,55.987 C2.2@74.037,56.488 ; Q1.3@47.9,71.7 49.625,71.7 R24.1@49.625,71.75 ; C7.2@71.825,56.675 C2.2@73.85,56.675 ; C2.2@74.225,56.675 74.6,56.675 74.97,56.305 U1.8@76.925,56.305
  Top Layer w1: Q1.3@47.325,70.625 47.325,71.125 Q1.3@47.9,71.7 ; Q1.3@47.525,71.6 47.525,72.225 47.575,72.275 v2(47.575,74.513) 47.575,78.888 Q3.2@48.775,80.088
  Int1 (GND) w1: P13.3@29.975,72.19 36.69,72.19 39.013,74.513 v2(47.575,74.513)
  other v2: 47.55,73.2 48.85,73.2 52.725,73.2 50.175,73.225 51.45,73.225 50.175,74.5 48.875,74.513 51.45,74.513 52.75,74.513 47.6,75.775 48.9,75.775 51.475,75.775 52.775,75.775 50.175,75.787
Actuator-: C11.2 C73.2 P13.4 Q2.3 Q4.2 R25.1 U15.8 | length 82.3
  Top Layer w0.5: v1(36.387,68.25) Q2.3@38.775,70.638 Q2.3@38.775,70.425 ; Q2.3@39.025,70.175 41.2,70.175 R25.1@41.2,70.125 ; C73.2@71.397,40.183 C73.2@71.45,40.183 ; v1(71.7,38.25) 71.7,39.933 C73.2@71.45,40.183 ; v1(73.275,38.325) 74.705,39.755 ; U15.8@76.458,39.755 75.728,39.755 74.705,39.755 ; C73.2@71.45,40.183 C11.2@73.797,40.183 74.172,40.183 74.6,39.755 74.705,39.755
  Top Layer w1: P13.4@29.975,74.725 38.475,74.725 ; Q2.3@38.775,70.425 Q2.3@39.025,70.175 ; Q2.3@38.775,70.638 38.775,74.425 38.475,74.725 ; Q4.2@41.075,80.063 41.075,77.325 38.475,74.725
  Int1 (GND) w0.5: v1(36.387,68.25) 37.45,68.25 67.375,38.325 v1@71.7,38.325
ADC_ACTUATOR: P13.2 U3.2 | length 130
  Top Layer w0.25: v1(124,45.075) 131.275,45.075 133.275,47.075 U3.2@133.275,50.695
  Int2(PWR) w0.5: P13.2@29.975,69.65 30.295,69.65 34.72,65.225 34.72,56.98 55.35,36.35 100.325,36.35 109.05,45.075 v1(124,45.075)
ADC_LVDT1: C98.2 R59.1 U3.31 | length 18
  Top Layer w0.15: C98.2@156.525,49.225 C98.2@156.525,49.275
  Top Layer w0.2: U3.31@144.205,57.625 148.175,57.625 C98.2@156.525,49.275
  Top Layer w0.5: C98.2@156.525,49.225 156.625,49.125 R59.1@158.65,49.125
ADC_LVDT2: C111.2 R67.1 U3.26 | length 25
  Top Layer w0.25: U3.26@144.205,55.125 147.2,55.125 153.15,49.175 153.15,44.1 155.325,41.925 C111.2@155.375,41.925 C111.2@155.6,41.925
  Top Layer w0.3: C111.2@155.6,41.925 155.6,40.525 157.025,39.1 R67.1@158.8,39.1
ADC_WATERSENSE: C126.2 R78.1 U3.25 | length 26.1
  Top Layer w0.25: U3.25@144.205,54.625 145.55,54.625 151.825,48.35 151.825,43.15 156.125,38.85 R78.1@156.125,36.15 156.15,36.125 C126.2@156.15,34.225
BRIDGE_SENSE: C5.2 C14.2 C16.2 C93.2 Q3.3 Q4.3 R28.1 R29.1 R32.2 R40.1 R41.2 U2.8 U20.8 | length 126.5
  Top Layer w0.3: R32.2@43.4,90.9 43.4,91.4 44.15,92.15 62.85,92.15 R41.2@63.9,91.1 ; R41.2@64.25,91.1 64.25,91.775 R40.1@66.475,94
  Top Layer w0.5: R29.1@41.075,86.4 39.275,86.4 38.775,86.9 Q4.3@38.775,86.963 39.275,87.463 39.275,89.4 40.625,90.75 45.6,90.75 47.325,89.025 Q3.3@47.325,86.963 47.325,86.925 47.825,86.425 R28.1@49.675,86.425 ; R41.2@64.2,91.1 R41.2@64.25,91.1 ; C16.2@72.275,72.928 72.65,72.928 C16.2@72.8,72.778 ; C93.2@72.322,82.028 C93.2@72.697,82.028 ; v1(73.15,80.525) 73.054,80.621 73.054,81.296 72.947,81.403 72.947,81.778 C93.2@72.697,82.028 ; v1(73.55,71.35) 73.55,71.485 72.9,72.135 72.9,72.678 C16.2@72.8,72.778 ; v1(74.65,80.45) 75.883,81.683 ; v1(75.25,71.375) 76.313,72.438 77.375,72.438 U2.8@77.42,72.483 77.375,72.528 76.072,72.528 75.822,72.778 C16.2@72.8,72.778 ; U20.8@77.467,81.683 75.883,81.683 ; C93.2@72.697,82.028 C14.2@74.722,82.028 74.895,81.855 75.27,81.855 75.442,81.683 75.883,81.683
  Bottom Layer w0.5: v1(73.15,80.525) 70,80.525 59.95,90.575 v1(47.775,90.575) 67.05,71.3 v1@73.55,71.3
CAM1_RX: J3.3 R73.2 U5.14 | length 12.3
  Top Layer w0.5: J3.3@99.92,109.21 101.755,107.375 106.525,107.375 107,106.9 U5.14@107,104.566
  Bottom Layer w0.5: v1(106.925,106.875) 108.6,106.875 R73.2@108.75,106.725
CAM1_RX*: R11.1 U5.13 U6.1 | length 18.2
  Top Layer w0.25: U6.1@100.1,103.38 100.14,103.34 101.41,103.34 v1(101.45,103.3)
  Top Layer w0.3: U6.1@100.1,103.38 100.1,103.137 101.062,102.175 106.564,102.175 108.27,103.881 U5.13@108.27,104.566
  Bottom Layer w0.5: R11.1@95,103.525 95.27,103.255 95.315,103.3 v1(101.45,103.3)
CAM1_TX: J3.2 R11.2 U5.12 | length 22.2
  Top Layer w0.5: J3.2@101.19,111.75 104.3,111.75 109.54,106.51 U5.12@109.54,104.566
  Bottom Layer w0.5: R11.2@95,105.225 95.625,105.225 98.594,108.194 98.594,109.601 100.743,111.75 J3.2@101.19,111.75
CAM1_TX*: R73.1 U4.1 U5.11 | length 12.9
  Top Layer w0.3: v1(112.025,106.775) 110.81,105.56 U5.11@110.81,104.566 110.81,103.881 112.716,101.975 116.494,101.975 117.2,102.681 U4.1@117.2,103.155
  Bottom Layer w0.5: R73.1@110.45,106.725 110.5,106.775 v1(112.025,106.775)
CAM2_RX: J4.3 R76.2 U5.7 | length 21.1
  Top Layer w0.5: U5.7@112.08,99.616 112.08,98.931 112.85,98.161 v1(112.85,97.425)
  Bottom Layer w0.5: v1(112.85,97.425) 120.52,105.095 J4.3@120.52,109.11 118.235,106.825 R76.2@117.7,106.825
CAM2_RX*: R13.1 U5.8 U6.3 | length 29.4
  Top Layer w0.3: U6.3@98.2,103.38 98.2,102.75 99.008,101.942 100.376,101.942 100.643,101.675 111.976,101.675 113.35,100.301 U5.8@113.35,99.616
  Top Layer w0.5: U5.8@113.35,99.616 113.35,98.931 114.516,97.765 114.516,97.395 v1(114.631,97.28)
  Bottom Layer w0.55: v1(114.631,97.28) 116.693,99.342 116.693,99.618 118.65,101.575 R13.1@121.775,101.575
CAM2_TX: J4.2 R13.2 U5.9 | length 20.7
  Top Layer w0.5: U5.9@113.35,104.566 113.363,104.579 113.363,106.513 117.25,110.4 120.54,110.4 J4.2@121.79,111.65
  Bottom Layer w0.5: R13.2@121.79,103.46 J4.2@121.79,111.65
CAM2_TX*: R76.1 U4.3 U5.10 | length 8.5
  Top Layer w0.3: U5.10@112.08,104.566 112.08,103.881 113.011,102.95 115.095,102.95 U4.3@115.3,103.155 115.15,103.305 v1(115.15,105.2)
  Bottom Layer w0.5: v1(115.15,105.2) 115.15,106.025 115.95,106.825 R76.1@116,106.825
CAM3_RX: J5.3 R74.2 U7.14 | length 8.7
  Top Layer w0.5: U7.14@140.195,104.875 140.195,108.285 J5.3@141.02,109.11
  Bottom Layer w0.5: J5.3@141.02,109.11 143.255,106.875 R74.2@144.225,106.875
CAM3_RX*: R16.1 U7.13 U9.1 | length 18.4
  Top Layer w0.15: U9.1@134.05,103.13 U9.1@134.17,103.25
  Top Layer w0.25: U9.1@134.05,103.13 134.05,102.865 134.64,102.275 139.55,102.275 141.465,104.19 U7.13@141.465,104.875
  Top Layer w0.3: U9.1@134.17,103.25 134.295,103.125 v1(135.65,103.125)
  Bottom Layer w0.4: R16.1@128.85,102 134.225,102 135.35,103.125 v1(135.65,103.125)
CAM3_TX: J5.2 R16.2 U7.12 | length 24.3
  Top Layer w0.5: J5.2@142.29,111.65 142.29,106.935 142.735,106.49 U7.12@142.735,104.875
  Bottom Layer w0.4: R16.2@128.85,103.7 128.85,104.7 134.475,110.325 140.965,110.325 J5.2@142.29,111.65
CAM3_TX*: R74.1 U7.11 U8.1 | length 15
  Top Layer w0.3: v1(146.2,108.525) 146.2,108.5 144.005,106.305 U7.11@144.005,104.875 144.005,104.19 145.77,102.425 149.75,102.425 150.35,103.025 U8.1@150.35,103.68
  Bottom Layer w0.5: R74.1@145.925,106.875 146.2,107.15 v1(146.2,108.525)
CAM4_RX: J6.3 R75.2 U7.7 | length 25.9
  Top Layer w0.25: U7.7@145.275,99.925 145.275,98.308 145.875,97.708 v4(145.875,97.6)
  Bottom Layer w0.5: v4(145.875,97.6) 151.675,103.4 155.61,103.4 158.435,106.225 ; R75.2@155.425,106.225 158.435,106.225 ; J6.3@161.42,109.21 158.435,106.225
CAM4_RX*: R17.1 U7.8 U9.3 | length 33.2
  Top Layer w0.25: U9.3@132.15,103.13 132.315,102.965 132.315,102.526 133.048,101.793 145.362,101.793 146.545,100.61 U7.8@146.545,99.925
  Top Layer w0.3: U7.8@146.545,99.925 146.545,99.24 147.504,98.281 147.504,97.783 v4(147.657,97.63)
  Bottom Layer w0.5: v4(147.657,97.63) 151.727,101.7 R17.1@160.05,101.7
CAM4_TX: J6.2 R17.2 U7.9 | length 28.8
  Top Layer w0.25: U7.9@146.545,105.485 U7.9@146.72,105.66
  Top Layer w0.5: U7.9@146.545,104.875 U7.9@146.545,105.485 ; U7.9@146.72,105.66 149.085,108.025 150.501,108.025 152.951,110.475 161.415,110.475 J6.2@162.69,111.75
  Bottom Layer w0.5: R17.2@160.05,103.4 162.69,106.04 J6.2@162.69,111.75